# Altium PCB apt_battery_bms.PcbDoc (part 3 of 3)
Units mm, origin at the board's own origin, x right, y up, seen from the top; angles counter-clockwise.
Board outline 304.8 x 243.84 mm, 2 copper layers (Top Layer, Bottom Layer), stack 1.57 mm thick; 324 components, 194 nets, 1522 pads, 4 vias.
Unrouted connection lines stored in the file: 482.
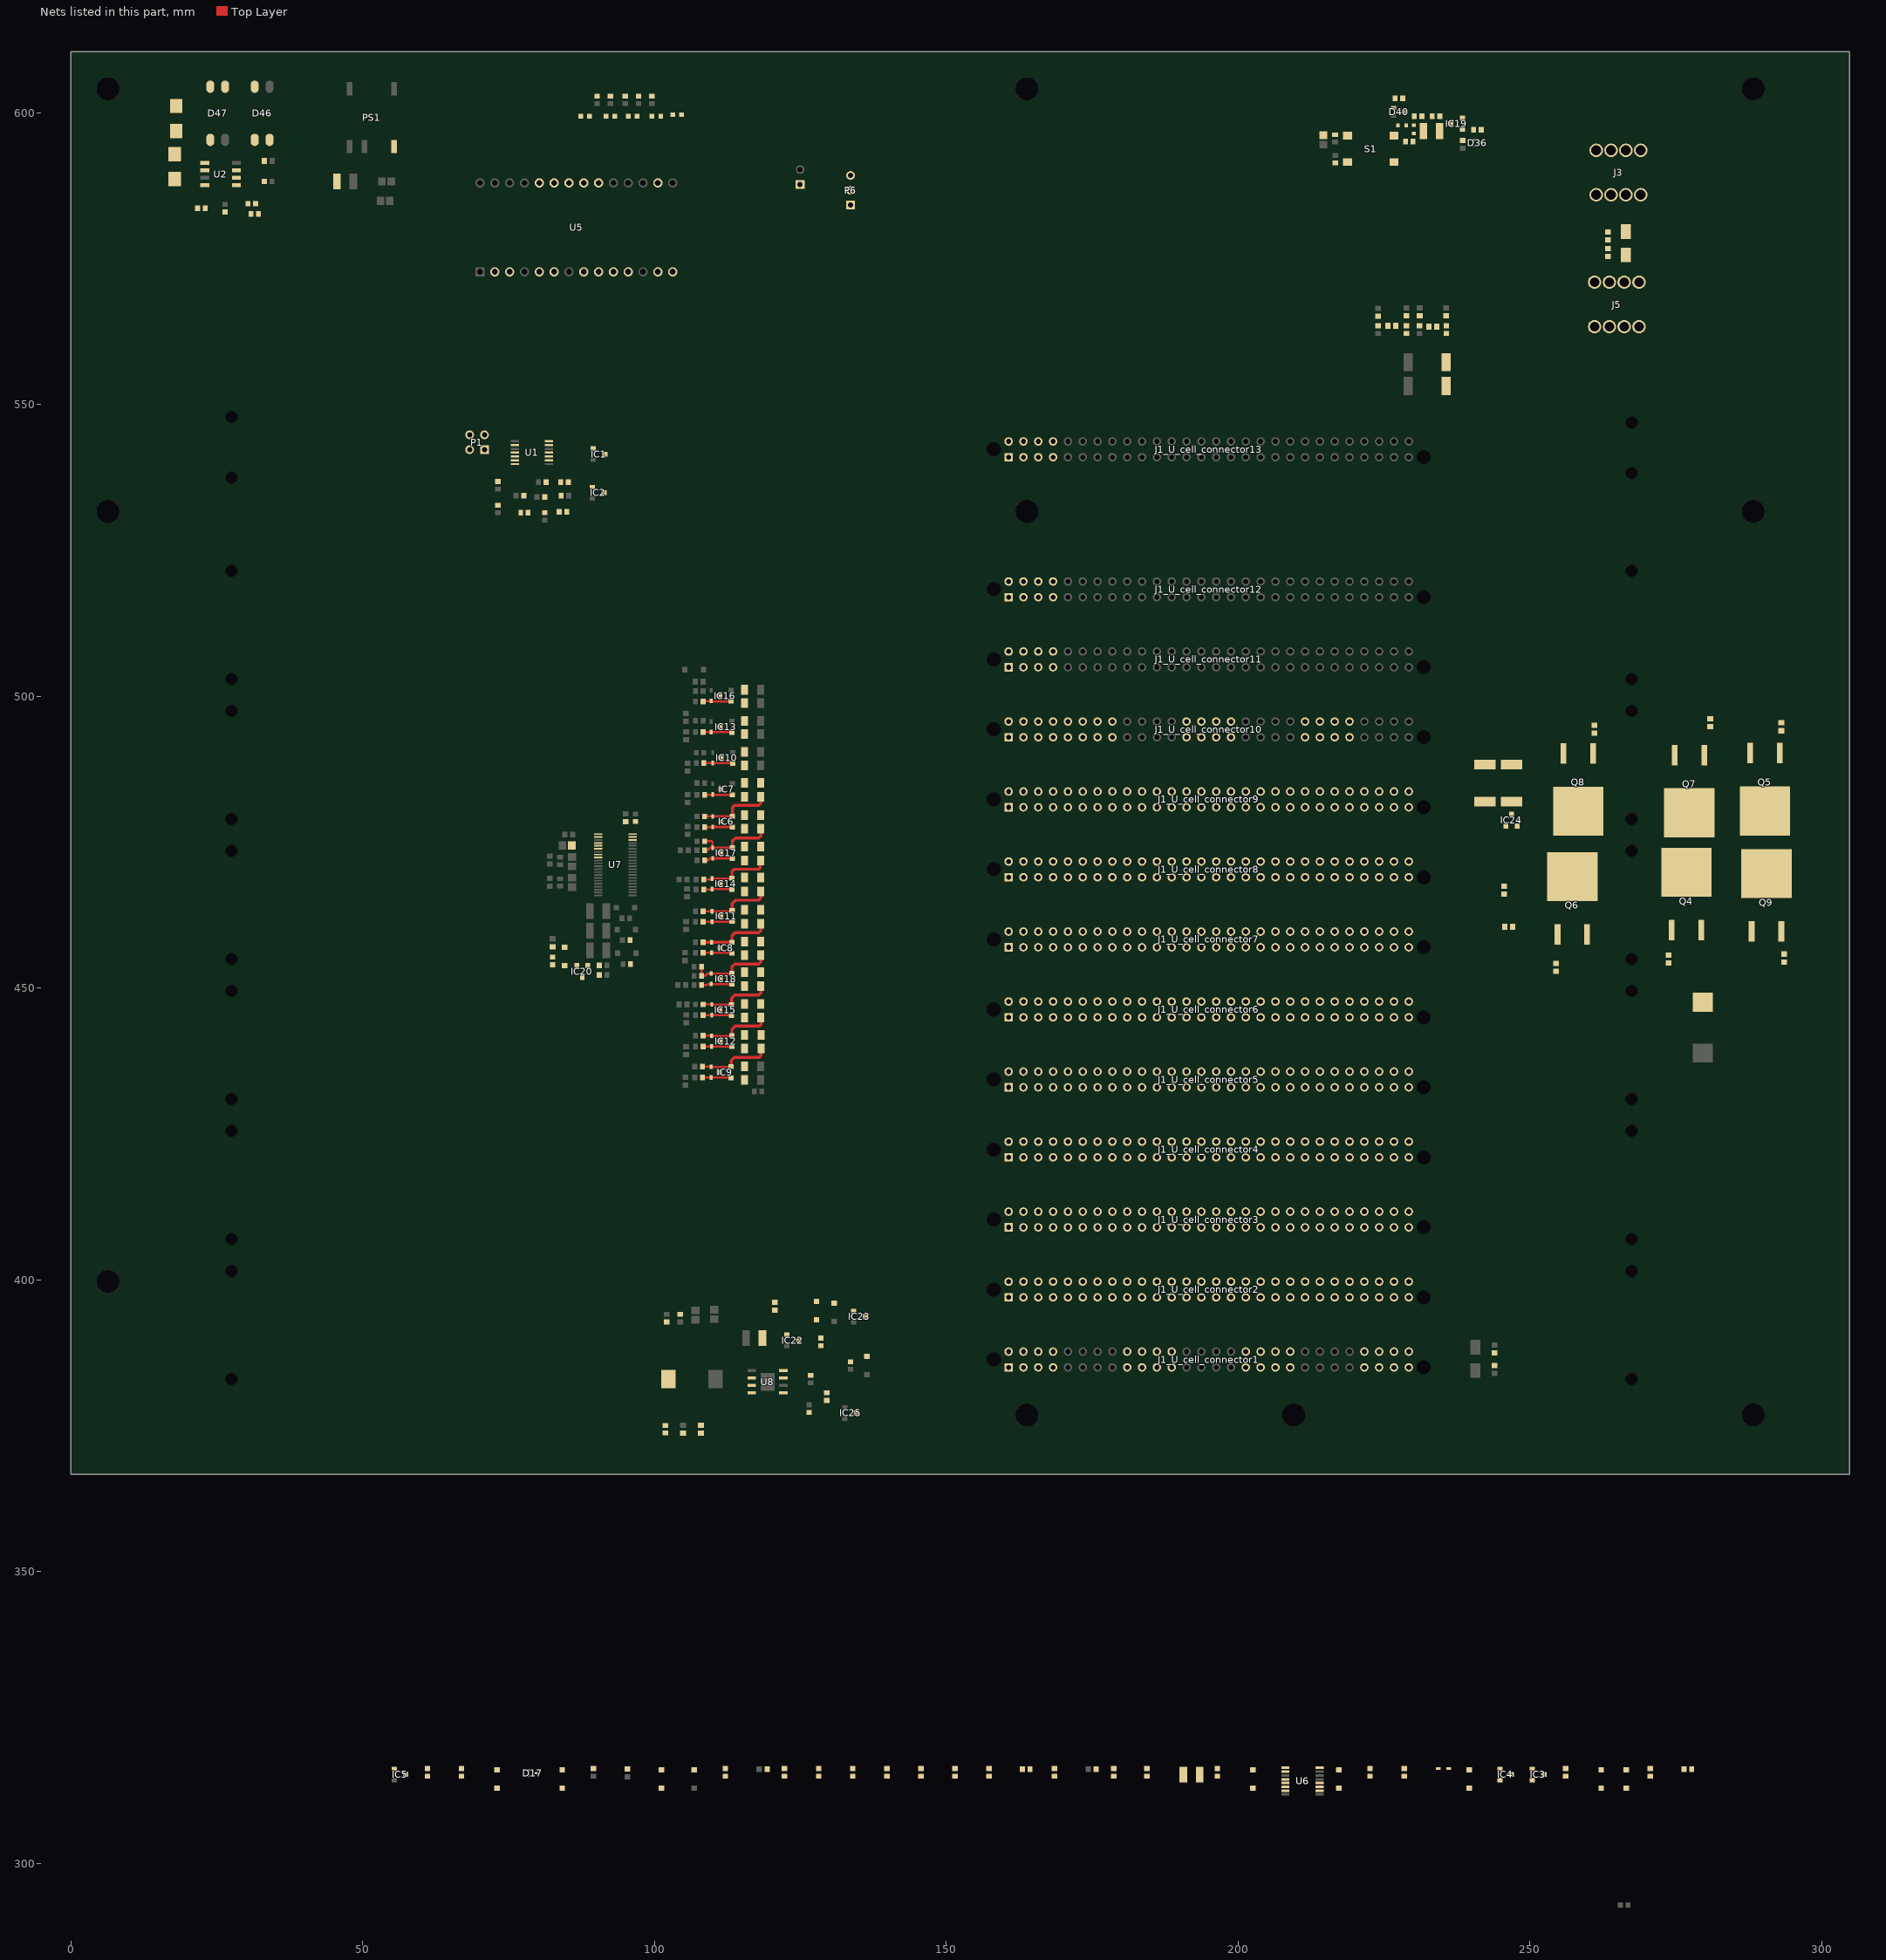
[diagram p3: the nets of this part, all layers, seen from the top]

## Via types
v1: diameter 1.27, hole 0.711, Top Layer to Bottom Layer, 4 vias

## Nets (pads, with @x,y where several pads share a name; then routed paths per layer and width w, separated by ;. In a path a pad name is that pad's centre, name@x,y a point inside that pad or via, vN(x,y) a via of type N, cw(c..) or ccw(c..) an arc to the next point about the centre after c; other vN are vias at no path point) (continued)
Cell4: D21.1 IC6.2 J1_U_cell_connector9.P9 J1_U_cell_connector9.P10 J1_U_cell_connector9.P11 J1_U_cell_connector9.P12 J1_U_cell_connector9.P17 J1_U_cell_connector9.P18 J1_U_cell_connector9.P19 J1_U_cell_connector9.P20 J1_U_cell_connector9.P25 J1_U_cell_connector9.P26 J1_U_cell_connector9.P27 J1_U_cell_connector9.P28 J1_U_cell_connector9.P29 J1_U_cell_connector9.P30 J1_U_cell_connector9.P31 J1_U_cell_connector9.P32 J1_U_cell_connector9.P37 J1_U_cell_connector9.P38 J1_U_cell_connector9.P39 J1_U_cell_connector9.P40 J1_U_cell_connector9.P45 J1_U_cell_connector9.P46 J1_U_cell_connector9.P47 J1_U_cell_connector9.P48 J1_U_cell_connector10.P5 J1_U_cell_connector10.P6 J1_U_cell_connector10.P7 J1_U_cell_connector10.P8 J1_U_cell_connector10.P13 J1_U_cell_connector10.P14 J1_U_cell_connector10.P15 J1_U_cell_connector10.P16 J1_U_cell_connector10.P21 J1_U_cell_connector10.P22 J1_U_cell_connector10.P23 J1_U_cell_connector10.P24 J1_U_cell_connector10.P33 J1_U_cell_connector10.P34 J1_U_cell_connector10.P35 J1_U_cell_connector10.P36 J1_U_cell_connector10.P41 J1_U_cell_connector10.P42 J1_U_cell_connector10.P43 J1_U_cell_connector10.P44 J1_U_cell_connector10.P49 J1_U_cell_connector10.P50 J1_U_cell_connector10.P51 J1_U_cell_connector10.P52 R51.1 R54.1 R57.1 | length 12.6
  Top Layer w0.381: R51.1@108.6,479.436 D21.1@109.971,479.436 113.319,479.436 IC6.2@113.369,479.486
  Top Layer w0.508: IC6.2@113.369,479.486 113.369,481 113.699,481.33 117.856,481.33 118.237,481.711 R54.1@118.237,482.809
Cell5: D34.1 IC17.2 J1_U_cell_connector8.P9 J1_U_cell_connector8.P10 J1_U_cell_connector8.P11 J1_U_cell_connector8.P12 J1_U_cell_connector8.P17 J1_U_cell_connector8.P18 J1_U_cell_connector8.P19 J1_U_cell_connector8.P20 J1_U_cell_connector8.P25 J1_U_cell_connector8.P26 J1_U_cell_connector8.P27 J1_U_cell_connector8.P28 J1_U_cell_connector8.P29 J1_U_cell_connector8.P30 J1_U_cell_connector8.P31 J1_U_cell_connector8.P32 J1_U_cell_connector8.P37 J1_U_cell_connector8.P38 J1_U_cell_connector8.P39 J1_U_cell_connector8.P40 J1_U_cell_connector8.P45 J1_U_cell_connector8.P46 J1_U_cell_connector8.P47 J1_U_cell_connector8.P48 J1_U_cell_connector9.P5 J1_U_cell_connector9.P6 J1_U_cell_connector9.P7 J1_U_cell_connector9.P8 J1_U_cell_connector9.P13 J1_U_cell_connector9.P14 J1_U_cell_connector9.P15 J1_U_cell_connector9.P16 J1_U_cell_connector9.P21 J1_U_cell_connector9.P22 J1_U_cell_connector9.P23 J1_U_cell_connector9.P24 J1_U_cell_connector9.P33 J1_U_cell_connector9.P34 J1_U_cell_connector9.P35 J1_U_cell_connector9.P36 J1_U_cell_connector9.P41 J1_U_cell_connector9.P42 J1_U_cell_connector9.P43 J1_U_cell_connector9.P44 J1_U_cell_connector9.P49 J1_U_cell_connector9.P50 J1_U_cell_connector9.P51 J1_U_cell_connector9.P52 R46.1 R48.1 R49.1 R95.1 R103.1 | length 14.9
  Top Layer w0.381: R103.1@108.6,473.623 109.108,473.623 109.538,474.053 D34.1@109.971,474.053 ; R46.1@108.6,475.172 109.815,475.172 109.971,475.016 D34.1@109.971,474.053 ; IC17.2@113.344,474.127 113.271,474.053 D34.1@109.971,474.053
  Top Layer w0.508: IC17.2@113.344,474.127 113.344,475.21 113.877,475.742 117.856,475.742 118.24,476.126 R48.1@118.24,477.317
Cell6: D30.1 IC14.2 J1_U_cell_connector7.P9 J1_U_cell_connector7.P10 J1_U_cell_connector7.P11 J1_U_cell_connector7.P12 J1_U_cell_connector7.P17 J1_U_cell_connector7.P18 J1_U_cell_connector7.P19 J1_U_cell_connector7.P20 J1_U_cell_connector7.P25 J1_U_cell_connector7.P26 J1_U_cell_connector7.P27 J1_U_cell_connector7.P28 J1_U_cell_connector7.P29 J1_U_cell_connector7.P30 J1_U_cell_connector7.P31 J1_U_cell_connector7.P32 J1_U_cell_connector7.P37 J1_U_cell_connector7.P38 J1_U_cell_connector7.P39 J1_U_cell_connector7.P40 J1_U_cell_connector7.P45 J1_U_cell_connector7.P46 J1_U_cell_connector7.P47 J1_U_cell_connector7.P48 J1_U_cell_connector8.P5 J1_U_cell_connector8.P6 J1_U_cell_connector8.P7 J1_U_cell_connector8.P8 J1_U_cell_connector8.P13 J1_U_cell_connector8.P14 J1_U_cell_connector8.P15 J1_U_cell_connector8.P16 J1_U_cell_connector8.P21 J1_U_cell_connector8.P22 J1_U_cell_connector8.P23 J1_U_cell_connector8.P24 J1_U_cell_connector8.P33 J1_U_cell_connector8.P34 J1_U_cell_connector8.P35 J1_U_cell_connector8.P36 J1_U_cell_connector8.P41 J1_U_cell_connector8.P42 J1_U_cell_connector8.P43 J1_U_cell_connector8.P44 J1_U_cell_connector8.P49 J1_U_cell_connector8.P50 J1_U_cell_connector8.P51 J1_U_cell_connector8.P52 R90.1 R93.1 R97.1 | length 12.5
  Top Layer w0.381: R90.1@108.43,468.63 109.717,468.63 D30.1@109.855,468.768 113.203,468.768 IC14.2@113.265,468.83
  Top Layer w0.508: IC14.2@113.265,468.83 113.265,469.98 113.668,470.383 117.889,470.383 118.11,470.604 118.11,471.75 R97.1@118.24,471.88
Cell7: D26.1 IC11.2 J1_U_cell_connector6.P9 J1_U_cell_connector6.P10 J1_U_cell_connector6.P11 J1_U_cell_connector6.P12 J1_U_cell_connector6.P17 J1_U_cell_connector6.P18 J1_U_cell_connector6.P19 J1_U_cell_connector6.P20 J1_U_cell_connector6.P25 J1_U_cell_connector6.P26 J1_U_cell_connector6.P27 J1_U_cell_connector6.P28 J1_U_cell_connector6.P29 J1_U_cell_connector6.P30 J1_U_cell_connector6.P31 J1_U_cell_connector6.P32 J1_U_cell_connector6.P37 J1_U_cell_connector6.P38 J1_U_cell_connector6.P39 J1_U_cell_connector6.P40 J1_U_cell_connector6.P45 J1_U_cell_connector6.P46 J1_U_cell_connector6.P47 J1_U_cell_connector6.P48 J1_U_cell_connector7.P5 J1_U_cell_connector7.P6 J1_U_cell_connector7.P7 J1_U_cell_connector7.P8 J1_U_cell_connector7.P13 J1_U_cell_connector7.P14 J1_U_cell_connector7.P15 J1_U_cell_connector7.P16 J1_U_cell_connector7.P21 J1_U_cell_connector7.P22 J1_U_cell_connector7.P23 J1_U_cell_connector7.P24 J1_U_cell_connector7.P33 J1_U_cell_connector7.P34 J1_U_cell_connector7.P35 J1_U_cell_connector7.P36 J1_U_cell_connector7.P41 J1_U_cell_connector7.P42 J1_U_cell_connector7.P43 J1_U_cell_connector7.P44 J1_U_cell_connector7.P49 J1_U_cell_connector7.P50 J1_U_cell_connector7.P51 J1_U_cell_connector7.P52 R77.1 R80.1 R83.1 | length 12.7
  Top Layer w0.381: R77.1@108.346,463.18 D26.1@109.855,463.18 113.168,463.18 IC11.2@113.309,463.321
  Top Layer w0.508: IC11.2@113.309,463.321 113.309,464.498 113.886,465.074 117.831,465.074 118.24,465.483 R80.1@118.24,466.598
Cell8: D23.1 IC8.2 J1_U_cell_connector5.P9 J1_U_cell_connector5.P10 J1_U_cell_connector5.P11 J1_U_cell_connector5.P12 J1_U_cell_connector5.P17 J1_U_cell_connector5.P18 J1_U_cell_connector5.P19 J1_U_cell_connector5.P20 J1_U_cell_connector5.P25 J1_U_cell_connector5.P26 J1_U_cell_connector5.P27 J1_U_cell_connector5.P28 J1_U_cell_connector5.P29 J1_U_cell_connector5.P30 J1_U_cell_connector5.P31 J1_U_cell_connector5.P32 J1_U_cell_connector5.P37 J1_U_cell_connector5.P38 J1_U_cell_connector5.P39 J1_U_cell_connector5.P40 J1_U_cell_connector5.P45 J1_U_cell_connector5.P46 J1_U_cell_connector5.P47 J1_U_cell_connector5.P48 J1_U_cell_connector6.P5 J1_U_cell_connector6.P6 J1_U_cell_connector6.P7 J1_U_cell_connector6.P8 J1_U_cell_connector6.P13 J1_U_cell_connector6.P14 J1_U_cell_connector6.P15 J1_U_cell_connector6.P16 J1_U_cell_connector6.P21 J1_U_cell_connector6.P22 J1_U_cell_connector6.P23 J1_U_cell_connector6.P24 J1_U_cell_connector6.P33 J1_U_cell_connector6.P34 J1_U_cell_connector6.P35 J1_U_cell_connector6.P36 J1_U_cell_connector6.P41 J1_U_cell_connector6.P42 J1_U_cell_connector6.P43 J1_U_cell_connector6.P44 J1_U_cell_connector6.P49 J1_U_cell_connector6.P50 J1_U_cell_connector6.P51 J1_U_cell_connector6.P52 R65.1 R68.1 R71.1 | length 12.5
  Top Layer w0.508: R65.1@108.346,457.846 D23.1@109.817,457.846 113.256,457.846 IC8.2@113.271,457.86 113.271,458.965 113.792,459.486 117.889,459.486 118.24,459.837 R68.1@118.24,461.01
Cell9: D35.1 IC18.2 J1_U_cell_connector4.P9 J1_U_cell_connector4.P10 J1_U_cell_connector4.P11 J1_U_cell_connector4.P12 J1_U_cell_connector4.P17 J1_U_cell_connector4.P18 J1_U_cell_connector4.P19 J1_U_cell_connector4.P20 J1_U_cell_connector4.P25 J1_U_cell_connector4.P26 J1_U_cell_connector4.P27 J1_U_cell_connector4.P28 J1_U_cell_connector4.P29 J1_U_cell_connector4.P30 J1_U_cell_connector4.P31 J1_U_cell_connector4.P32 J1_U_cell_connector4.P37 J1_U_cell_connector4.P38 J1_U_cell_connector4.P39 J1_U_cell_connector4.P40 J1_U_cell_connector4.P45 J1_U_cell_connector4.P46 J1_U_cell_connector4.P47 J1_U_cell_connector4.P48 J1_U_cell_connector5.P5 J1_U_cell_connector5.P6 J1_U_cell_connector5.P7 J1_U_cell_connector5.P8 J1_U_cell_connector5.P13 J1_U_cell_connector5.P14 J1_U_cell_connector5.P15 J1_U_cell_connector5.P16 J1_U_cell_connector5.P21 J1_U_cell_connector5.P22 J1_U_cell_connector5.P23 J1_U_cell_connector5.P24 J1_U_cell_connector5.P33 J1_U_cell_connector5.P34 J1_U_cell_connector5.P35 J1_U_cell_connector5.P36 J1_U_cell_connector5.P41 J1_U_cell_connector5.P42 J1_U_cell_connector5.P43 J1_U_cell_connector5.P44 J1_U_cell_connector5.P49 J1_U_cell_connector5.P50 J1_U_cell_connector5.P51 J1_U_cell_connector5.P52 R52.1 R55.1 R58.1 R88.1 R104.1 | length 14.5
  Top Layer w0.381: R52.1@108.092,453.695 R104.1@108.092,452.12 108.687,452.12 109.079,452.512 D35.1@109.717,452.512 113.218,452.512 IC18.2@113.268,452.562
  Top Layer w0.508: IC18.2@113.268,452.562 113.268,453.66 113.76,454.152 117.856,454.152 118.215,454.511 R55.1@118.215,455.651
Cell10: D31.1 IC15.2 J1_U_cell_connector3.P9 J1_U_cell_connector3.P10 J1_U_cell_connector3.P11 J1_U_cell_connector3.P12 J1_U_cell_connector3.P17 J1_U_cell_connector3.P18 J1_U_cell_connector3.P19 J1_U_cell_connector3.P20 J1_U_cell_connector3.P25 J1_U_cell_connector3.P26 J1_U_cell_connector3.P27 J1_U_cell_connector3.P28 J1_U_cell_connector3.P29 J1_U_cell_connector3.P30 J1_U_cell_connector3.P31 J1_U_cell_connector3.P32 J1_U_cell_connector3.P37 J1_U_cell_connector3.P38 J1_U_cell_connector3.P39 J1_U_cell_connector3.P40 J1_U_cell_connector3.P45 J1_U_cell_connector3.P46 J1_U_cell_connector3.P47 J1_U_cell_connector3.P48 J1_U_cell_connector4.P5 J1_U_cell_connector4.P6 J1_U_cell_connector4.P7 J1_U_cell_connector4.P8 J1_U_cell_connector4.P13 J1_U_cell_connector4.P14 J1_U_cell_connector4.P15 J1_U_cell_connector4.P16 J1_U_cell_connector4.P21 J1_U_cell_connector4.P22 J1_U_cell_connector4.P23 J1_U_cell_connector4.P24 J1_U_cell_connector4.P33 J1_U_cell_connector4.P34 J1_U_cell_connector4.P35 J1_U_cell_connector4.P36 J1_U_cell_connector4.P41 J1_U_cell_connector4.P42 J1_U_cell_connector4.P43 J1_U_cell_connector4.P44 J1_U_cell_connector4.P49 J1_U_cell_connector4.P50 J1_U_cell_connector4.P51 J1_U_cell_connector4.P52 R91.1 R94.1 R98.1 | length 12.5
  Top Layer w0.381: R91.1@108.346,447.218 109.815,447.218 D31.1@109.83,447.203 113.193,447.203 IC15.2@113.208,447.218
  Top Layer w0.508: IC15.2@113.208,447.218 113.208,448.277 113.749,448.818 117.889,448.818 118.24,449.169 R94.1@118.24,450.342
Cell11: D27.1 IC12.2 J1_U_cell_connector2.P9 J1_U_cell_connector2.P10 J1_U_cell_connector2.P11 J1_U_cell_connector2.P12 J1_U_cell_connector2.P17 J1_U_cell_connector2.P18 J1_U_cell_connector2.P19 J1_U_cell_connector2.P20 J1_U_cell_connector2.P25 J1_U_cell_connector2.P26 J1_U_cell_connector2.P27 J1_U_cell_connector2.P28 J1_U_cell_connector2.P29 J1_U_cell_connector2.P30 J1_U_cell_connector2.P31 J1_U_cell_connector2.P32 J1_U_cell_connector2.P37 J1_U_cell_connector2.P38 J1_U_cell_connector2.P39 J1_U_cell_connector2.P40 J1_U_cell_connector2.P45 J1_U_cell_connector2.P46 J1_U_cell_connector2.P47 J1_U_cell_connector2.P48 J1_U_cell_connector3.P5 J1_U_cell_connector3.P6 J1_U_cell_connector3.P7 J1_U_cell_connector3.P8 J1_U_cell_connector3.P13 J1_U_cell_connector3.P14 J1_U_cell_connector3.P15 J1_U_cell_connector3.P16 J1_U_cell_connector3.P21 J1_U_cell_connector3.P22 J1_U_cell_connector3.P23 J1_U_cell_connector3.P24 J1_U_cell_connector3.P33 J1_U_cell_connector3.P34 J1_U_cell_connector3.P35 J1_U_cell_connector3.P36 J1_U_cell_connector3.P41 J1_U_cell_connector3.P42 J1_U_cell_connector3.P43 J1_U_cell_connector3.P44 J1_U_cell_connector3.P49 J1_U_cell_connector3.P50 J1_U_cell_connector3.P51 J1_U_cell_connector3.P52 R78.1 R81.1 R84.1 | length 12.6
  Top Layer w0.381: R78.1@108.346,441.869 109.767,441.869 D27.1@109.817,441.819 113.218,441.819 IC12.2@113.268,441.869
  Top Layer w0.508: IC12.2@113.268,441.869 113.268,442.9 113.852,443.484 117.983,443.484 118.24,443.741 R84.1@118.24,445
Cell12: D24.1 IC9.2 J1_U_cell_connector1.P9 J1_U_cell_connector1.P10 J1_U_cell_connector1.P11 J1_U_cell_connector1.P12 J1_U_cell_connector1.P17 J1_U_cell_connector1.P18 J1_U_cell_connector1.P19 J1_U_cell_connector1.P20 J1_U_cell_connector1.P25 J1_U_cell_connector1.P26 J1_U_cell_connector1.P27 J1_U_cell_connector1.P28 J1_U_cell_connector1.P29 J1_U_cell_connector1.P30 J1_U_cell_connector1.P31 J1_U_cell_connector1.P32 J1_U_cell_connector1.P37 J1_U_cell_connector1.P38 J1_U_cell_connector1.P39 J1_U_cell_connector1.P40 J1_U_cell_connector1.P45 J1_U_cell_connector1.P46 J1_U_cell_connector1.P47 J1_U_cell_connector1.P48 J1_U_cell_connector2.P5 J1_U_cell_connector2.P6 J1_U_cell_connector2.P7 J1_U_cell_connector2.P8 J1_U_cell_connector2.P13 J1_U_cell_connector2.P14 J1_U_cell_connector2.P15 J1_U_cell_connector2.P16 J1_U_cell_connector2.P21 J1_U_cell_connector2.P22 J1_U_cell_connector2.P23 J1_U_cell_connector2.P24 J1_U_cell_connector2.P33 J1_U_cell_connector2.P34 J1_U_cell_connector2.P35 J1_U_cell_connector2.P36 J1_U_cell_connector2.P41 J1_U_cell_connector2.P42 J1_U_cell_connector2.P43 J1_U_cell_connector2.P44 J1_U_cell_connector2.P49 J1_U_cell_connector2.P50 J1_U_cell_connector2.P51 J1_U_cell_connector2.P52 R66.1 R69.1 R72.1 | length 12.7
  Top Layer w0.381: R66.1@108.219,436.535 109.703,436.535 D24.1@109.728,436.51 113.116,436.51 IC9.2@113.141,436.535
  Top Layer w0.508: IC9.2@113.141,436.535 113.141,437.626 113.665,438.15 117.983,438.15 118.263,438.43 R72.1@118.263,439.674
LED1: D3.1 U5.22
LED2: D4.1 U5.23
LED3: D5.1 U5.24
LED4: D6.1 U5.14
LED5: D7.1 U5.13
NetC2_2: C2.2 R14.2 U1.5 U1.6
NetC7_1: C7.1 C8.2 R24.1 U6.2
NetC7_2: C7.2 U6.1
NetC9_2: C9.2 R25.1 R34.1
NetC10_2: C10.2 D14.2 R36.2 R38.2 U5.16
NetC19_2: C19.2 R60.2 U5.6 U7.44
NetC35_1: C35.1 D36.1 IC19.1 R105.2
NetC39_1: C39.1 IC19.3 R107.2
NetC39_2: C39.2 R107.1 R108.2
NetC41_1: C41.1 C42.2
NetC41_2: C41.2 D8.1 F1.2 IC4.3 Q4.3 Q6.3 Q9.3 R20.2 R22.2
NetC43_1: C43.1 L1.1 R114.1 U8.8
NetC43_2: C43.2 U8.7
NetC44_2: C44.2 IC22.3 R24.2 U8.2 U8.3
NetC45_1: C45.1 C48.2 R114.2
NetC48_1: C48.1 R115.1 R119.2 U8.5
NetC49_2: C49.2 C50.1 R122.1 U7.42
NetC50_2: C50.2 C51.1 R123.1 U7.43
NetC52_2: C52.2 C53.1 R124.1 U1.9
NetC53_2: C53.2 C54.1 R125.1 U1.10
NetC55_1: C55.1 C57.2
NetC56_1: C56.1 C58.2
NetD1_2: D1.2 P6.1 R9.1 U2.6
NetD2_2: D2.2 P6.2 R9.2 U2.7
NetD3_2: D3.2 R15.2
NetD4_2: D4.2 R16.2
NetD5_2: D5.2 R17.2
NetD6_2: D6.2 R18.2
NetD7_2: D7.2 R19.2
NetD8_2: D8.2 D11.2 FB1.2 FB3.2 FB6.1 IC4.2 R20.1
NetD9_2: D9.2 FB2.1 FB4.1 FB5.1 IC3.3 R21.1 R31.2
NetD10_2: D10.2 D12.2 IC3.1 R23.2
NetD11_1: D11.1 D13.2 IC4.1 R22.1
NetD12_1: D12.1 R27.2
NetD13_1: D13.1 R26.2
NetD15_2: D15.2 R30.1 R31.1
NetD16_2: D16.2 R33.1 R34.2
NetD17_1: D17.1 R33.2 U6.11
NetD17_2: D17.2 R37.2
NetD18_1: D18.1 IC24.1 R39.2 R40.2
NetD18_2: D18.2 IC24.2 Q4.2 Q5.2 Q6.2 Q7.2 Q8.2 Q9.2 R40.1
NetD20_1: D20.1 IC20.2 R45.2
NetD21_2: D21.2 IC6.1 R50.2 | length 4.8
  Top Layer w0.381: R50.2@108.6,477.586 109.921,477.586 D21.2@109.971,477.636 113.319,477.636 IC6.1@113.369,477.586
NetD22_2: D22.2 IC7.1 R61.2 | length 4.9
  Top Layer w0.381: R61.2@108.6,483.108 109.855,483.108 D22.2@109.971,483.224 110.046,483.149 IC7.1@113.375,483.149
NetD23_2: D23.2 IC8.1 R62.2 | length 5
  Top Layer w0.381: R62.2@108.346,456.046 D23.2@109.817,456.046 113.185,456.046 IC8.1@113.271,455.96
NetD24_2: D24.2 IC9.1 R63.2 | length 5
  Top Layer w0.381: R63.2@108.219,434.71 D24.2@109.728,434.71 113.066,434.71 IC9.1@113.141,434.635
NetD25_2: D25.2 IC10.1 R73.2 | length 4.9
  Top Layer w0.381: R73.2@108.473,488.558 D25.2@109.982,488.558 113.345,488.558 IC10.1@113.395,488.508
NetD26_2: D26.2 IC11.1 R74.2 | length 5
  Top Layer w0.381: R74.2@108.346,461.38 D26.2@109.855,461.38 113.268,461.38 IC11.1@113.309,461.421
NetD27_2: D27.2 IC12.1 R75.2 | length 4.9
  Top Layer w0.381: R75.2@108.346,440.019 D27.2@109.817,440.019 113.218,440.019 IC12.1@113.268,439.969
NetD29_2: D29.2 IC13.1 R85.2 | length 4.8
  Top Layer w0.381: R85.2@108.346,493.903 108.357,493.892 D29.2@109.728,493.892 113.075,493.892 IC13.1@113.125,493.842
NetD30_2: D30.2 IC14.1 R86.2 | length 4.9
  Top Layer w0.381: R86.2@108.43,466.93 109.817,466.93 D30.2@109.855,466.968 113.227,466.968 IC14.1@113.265,466.93
NetD31_2: D31.2 IC15.1 R87.2 | length 4.9
  Top Layer w0.381: R87.2@108.346,445.403 D31.2@109.83,445.403 113.122,445.403 IC15.1@113.208,445.318
NetD33_2: D33.2 IC16.1 R99.2 | length 4.9
  Top Layer w0.381: R99.2@108.346,499.099 108.473,499.226 D33.2@109.728,499.226 ; D33.2@109.728,499.099 113.064,499.099 IC16.1@113.141,499.176
NetD34_2: D34.2 IC17.1 R100.2 | length 4.9
  Top Layer w0.381: R100.2@108.6,471.932 109.245,471.932 109.566,472.253 D34.2@109.971,472.253 113.318,472.253 IC17.1@113.344,472.227
NetD35_2: D35.2 IC18.1 R101.2 | length 5.3
  Top Layer w0.381: R101.2@108.092,450.53 108.976,450.53 109.158,450.712 D35.2@109.717,450.712 113.218,450.712 IC18.1@113.268,450.662
NetD38_1: D38.1 R109.1
NetD38_2: D38.2 D39.1 D40.2 R108.1 R111.1
NetD41_1: D41.1 IC22.1 R112.1 R113.2
NetD42_2: D42.2 D43.2 IC23.1 R116.2
NetD46_1: D46.1 R7.2
NetD47_1: D47.1 R11.2
NetD47_4: D47.4 R10.1 U2.4
NetFB1_1: FB1.1 Q4.1
NetFB2_2: FB2.2 Q5.1
NetFB3_1: FB3.1 Q6.1
NetFB4_2: FB4.2 Q7.1
NetFB5_2: FB5.2 Q8.1
NetFB6_2: FB6.2 Q9.1
NetIC1_1: IC1.1 U1.2
NetIC1_3: IC1.3 R2.2
NetIC2_1: IC2.1 R1.1 R2.1
NetIC2_3: IC2.3 R6.2
NetIC5_1: IC5.1 U5.5
NetIC5_3: IC5.3 R39.1
NetIC6_3: IC6.3 R48.2 R49.2
NetIC7_3: IC7.3 R54.2 R57.2
NetIC8_3: IC8.3 R55.2 R58.2
NetIC9_3: IC9.3 R56.2 R59.2
NetIC10_3: IC10.3 R67.2 R70.2
NetIC11_3: IC11.3 R68.2 R71.2
NetIC12_3: IC12.3 R69.2 R72.2
NetIC13_3: IC13.3 R79.2 R82.2
NetIC14_3: IC14.3 R80.2 R83.2
NetIC15_3: IC15.3 R81.2 R84.2
NetIC16_3: IC16.3 R92.2 R96.2
NetIC17_3: IC17.3 R93.2 R97.2
NetIC18_3: IC18.3 R94.2 R98.2
NetIC20_1: IC20.1 R43.1
NetIC20_3: IC20.3 R42.2
NetIC23_3: IC23.3 R113.1
NetIC24_3: IC24.3 R120.1 R121.1
NetIC25_3: IC25.3 R118.1
NetJ1_U_cell_connector1_P1: J1_U_cell_connector1.P1 J1_U_cell_connector1.P2 J1_U_cell_connector1.P3 J1_U_cell_connector1.P4
NetJ1_U_cell_connector1_P53: J1_U_cell_connector1.P53 J1_U_cell_connector1.P54 J1_U_cell_connector1.P55 J1_U_cell_connector1.P56
NetJ1_U_cell_connector2_P1: J1_U_cell_connector2.P1 J1_U_cell_connector2.P2 J1_U_cell_connector2.P3 J1_U_cell_connector2.P4
NetJ1_U_cell_connector2_P53: J1_U_cell_connector2.P53 J1_U_cell_connector2.P54 J1_U_cell_connector2.P55 J1_U_cell_connector2.P56
NetJ1_U_cell_connector3_P1: J1_U_cell_connector3.P1 J1_U_cell_connector3.P2 J1_U_cell_connector3.P3 J1_U_cell_connector3.P4
NetJ1_U_cell_connector3_P53: J1_U_cell_connector3.P53 J1_U_cell_connector3.P54 J1_U_cell_connector3.P55 J1_U_cell_connector3.P56
NetJ1_U_cell_connector4_P1: J1_U_cell_connector4.P1 J1_U_cell_connector4.P2 J1_U_cell_connector4.P3 J1_U_cell_connector4.P4
NetJ1_U_cell_connector4_P53: J1_U_cell_connector4.P53 J1_U_cell_connector4.P54 J1_U_cell_connector4.P55 J1_U_cell_connector4.P56
NetJ1_U_cell_connector5_P1: J1_U_cell_connector5.P1 J1_U_cell_connector5.P2 J1_U_cell_connector5.P3 J1_U_cell_connector5.P4
NetJ1_U_cell_connector5_P53: J1_U_cell_connector5.P53 J1_U_cell_connector5.P54 J1_U_cell_connector5.P55 J1_U_cell_connector5.P56
NetJ1_U_cell_connector6_P1: J1_U_cell_connector6.P1 J1_U_cell_connector6.P2 J1_U_cell_connector6.P3 J1_U_cell_connector6.P4
NetJ1_U_cell_connector6_P53: J1_U_cell_connector6.P53 J1_U_cell_connector6.P54 J1_U_cell_connector6.P55 J1_U_cell_connector6.P56
NetJ1_U_cell_connector7_P1: J1_U_cell_connector7.P1 J1_U_cell_connector7.P2 J1_U_cell_connector7.P3 J1_U_cell_connector7.P4
NetJ1_U_cell_connector7_P53: J1_U_cell_connector7.P53 J1_U_cell_connector7.P54 J1_U_cell_connector7.P55 J1_U_cell_connector7.P56
NetJ1_U_cell_connector8_P1: J1_U_cell_connector8.P1 J1_U_cell_connector8.P2 J1_U_cell_connector8.P3 J1_U_cell_connector8.P4
NetJ1_U_cell_connector8_P53: J1_U_cell_connector8.P53 J1_U_cell_connector8.P54 J1_U_cell_connector8.P55 J1_U_cell_connector8.P56
NetJ1_U_cell_connector9_P1: J1_U_cell_connector9.P1 J1_U_cell_connector9.P2 J1_U_cell_connector9.P3 J1_U_cell_connector9.P4
NetJ1_U_cell_connector9_P53: J1_U_cell_connector9.P53 J1_U_cell_connector9.P54 J1_U_cell_connector9.P55 J1_U_cell_connector9.P56
NetJ1_U_cell_connector10_P1: J1_U_cell_connector10.P1 J1_U_cell_connector10.P2 J1_U_cell_connector10.P3 J1_U_cell_connector10.P4
NetJ1_U_cell_connector10_P53: J1_U_cell_connector10.P53 J1_U_cell_connector10.P54 J1_U_cell_connector10.P55 J1_U_cell_connector10.P56
NetJ1_U_cell_connector11_P1: J1_U_cell_connector11.P1 J1_U_cell_connector11.P2 J1_U_cell_connector11.P3 J1_U_cell_connector11.P4
NetJ1_U_cell_connector11_P53: J1_U_cell_connector11.P53 J1_U_cell_connector11.P54 J1_U_cell_connector11.P55 J1_U_cell_connector11.P56
NetJ1_U_cell_connector12_P1: J1_U_cell_connector12.P1 J1_U_cell_connector12.P2 J1_U_cell_connector12.P3 J1_U_cell_connector12.P4
NetJ1_U_cell_connector12_P53: J1_U_cell_connector12.P53 J1_U_cell_connector12.P54 J1_U_cell_connector12.P55 J1_U_cell_connector12.P56
NetJ1_U_cell_connector13_P1: J1_U_cell_connector13.P1 J1_U_cell_connector13.P2 J1_U_cell_connector13.P3 J1_U_cell_connector13.P4
NetJ1_U_cell_connector13_P53: J1_U_cell_connector13.P53 J1_U_cell_connector13.P54 J1_U_cell_connector13.P55 J1_U_cell_connector13.P56
NetP7_1: P7.1 U5.9
NetR4_2: R4.2 U1.11
NetR6_1: R6.1 R8.2 U1.4
NetR7_1: R7.1 U2.1
NetR26_1: R26.1 U6.16
NetR28_1: R28.1 U7.2
NetR28_2: R28.2 U6.4
NetR29_1: R29.1 U5.10
NetR29_2: R29.2 U6.5
NetR30_2: R30.2 R37.1 U6.12
NetR32_1: R32.1 U7.1
NetR32_2: R32.2 U6.6
NetR35_1: R35.1 U5.11
NetR35_2: R35.2 U6.7
NetR36_1: R36.1 U6.10
NetR106_1: R106.1 S1.3 S1.4
NetR109_2: R109.2 U5.8
NetR117_1: R117.1 R118.2 U8.4
Pack+: C42.1 C55.2 D9.1 D10.1 D36.2 D44.2 IC3.2 IC19.2 J3.1 Q5.3 Q7.3 Q8.3 R21.2 R23.1 R25.2 R105.1 R120.2 R121.2
Pack-: C57.1 D15.1 D16.1 D40.1 D44.1 J5.1 R27.1 R111.2 R123.2 R125.2 R126.2 R127.2
REG25: C3.2 R4.1 U1.7
REGOUT: C15.2 D42.1 U7.8
REGSRC: C12.2 D20.2 R45.1 U7.9
RXD: D46.4 R5.1 U5.2
SCL: P1.3 R13.2 U1.13 U7.5
SCL-Gauge: P1.4 U5.20
SDA: P1.1 R12.2 U1.14 U7.4
SDA-Gauge: P1.2 U5.21
SGND: C1.1 C6.1 D1.1 D2.1 D46.2 D47.3 P6.3 PS1.4 U2.2 U2.5
TS1: C40.2 D39.2 R110.2 S1.1 S1.2 U7.6
TXD: R11.1 U5.3
pads on no net: D17.3 D36.3 D40.3 Designator7.P15 Designator7_1.P15 Designator8.P15 Designator8_1.P15 Designator9.P15 Designator9_1.P15 Designator10.P15 Designator10_1.P15 Designator11.P15 Designator11_1.P15 Designator12.P15 Designator12_1.P15 Designator13.P15 Designator13_1.P15 Designator14.P15 Designator14_1.P15 Designator15.P15 Designator15_1.P15 Designator16.P15 Designator16_1.P15 Designator17.P15 Designator17_1.P15 Designator18.P15 Designator18_1.P15 J1_U_cell_connector1.M1 J1_U_cell_connector1.M2 J1_U_cell_connector2.M1 J1_U_cell_connector2.M2 J1_U_cell_connector3.M1 J1_U_cell_connector3.M2 J1_U_cell_connector4.M1 J1_U_cell_connector4.M2 J1_U_cell_connector5.M1 J1_U_cell_connector5.M2 J1_U_cell_connector6.M1 J1_U_cell_connector6.M2 J1_U_cell_connector7.M1 J1_U_cell_connector7.M2 J1_U_cell_connector8.M1 J1_U_cell_connector8.M2 J1_U_cell_connector9.M1 J1_U_cell_connector9.M2 J1_U_cell_connector10.M1 J1_U_cell_connector10.M2 J1_U_cell_connector11.M1 J1_U_cell_connector11.M2 J1_U_cell_connector12.M1 J1_U_cell_connector12.M2 J1_U_cell_connector13.M1 J1_U_cell_connector13.M2 PS1.8 U5.4 U5.12 U5.15 U5.18 U5.19 U5.25 U6.3 U6.13 U6.14 U6.15 U7.21 U7.22 U7.23 U8.6

## Polygon pours and split planes (outlines as drawn)
NetIC9_3 on Top Layer "Top Layer-NetIC10_3" (solid, remove dead copper, pour order 88): 110.625,436.054 114.14,436.054 114.14,437.604 116.848,437.604 116.848,433.286 114.14,433.286 114.14,435.115 110.625,435.115
NetIC12_3 on Top Layer "Top Layer-NetIC10_3" (solid, remove dead copper, pour order 86): 110.716,441.388 114.231,441.388 114.231,442.938 116.939,442.938 116.939,438.62 114.231,438.62 114.231,440.449 110.716,440.449
NetIC15_3 on Top Layer "Top Layer-NetIC10_3" (solid, remove dead copper, pour order 84): 110.698,446.749 114.213,446.749 114.213,448.299 116.921,448.299 116.921,443.981 114.213,443.981 114.213,445.809 110.698,445.809
NetIC18_3 on Top Layer "Top Layer-NetIC10_3" (solid, remove dead copper, pour order 82): 110.744,452.069 114.259,452.069 114.259,453.619 116.967,453.619 116.967,449.301 114.259,449.301 114.259,451.129 110.744,451.129
NetIC8_3 on Top Layer "Top Layer-NetIC10_3" (solid, remove dead copper, pour order 80): 110.709,457.403 114.224,457.403 114.224,458.953 116.932,458.953 116.932,454.635 114.224,454.635 114.224,456.463 110.709,456.463
NetIC11_3 on Top Layer "Top Layer-NetIC10_3" (solid, remove dead copper, pour order 78): 110.769,462.816 114.284,462.816 114.284,464.365 116.992,464.365 116.992,460.047 114.284,460.047 114.284,461.876 110.769,461.876
NetIC14_3 on Top Layer "Top Layer-NetIC10_3" (solid, remove dead copper, pour order 76): 110.795,468.34 114.31,468.34 114.31,469.889 117.018,469.889 117.018,465.571 114.31,465.571 114.31,467.4 110.795,467.4
NetIC17_3 on Top Layer "Top Layer-NetIC10_3" (solid, remove dead copper, pour order 74): 110.82,473.623 114.335,473.623 114.335,475.172 117.043,475.172 117.043,470.854 114.335,470.854 114.335,472.683 110.82,472.683
NetIC6_3 on Top Layer "Top Layer-NetIC10_3" (solid, remove dead copper, pour order 72): 110.881,479.019 114.396,479.019 114.396,480.568 117.104,480.568 117.104,476.25 114.396,476.25 114.396,478.079 110.881,478.079
NetIC7_3 on Top Layer "Top Layer-NetIC10_3" (solid, remove dead copper, pour order 70): 110.896,484.556 114.411,484.556 114.411,486.105 117.119,486.105 117.119,481.787 114.411,481.787 114.411,483.616 110.896,483.616
NetIC10_3 on Top Layer "Top Layer-NetIC10_3" (solid, remove dead copper, pour order 68): 110.871,489.941 114.386,489.941 114.386,491.49 117.094,491.49 117.094,487.172 114.386,487.172 114.386,489.001 110.871,489.001
NetIC13_3 on Top Layer "Top Layer-NetIC13_3" (solid, remove dead copper, pour order 62): 110.769,495.275 114.284,495.275 114.284,496.799 116.992,496.799 116.992,492.481 114.284,492.481 114.284,494.309 110.769,494.309
NetIC16_3 on Top Layer "Top Layer-NetIC16_3" (solid, remove dead copper, pour order 66): 110.617,500.634 114.132,500.634 114.132,502.158 116.84,502.158 116.84,497.84 114.132,497.84 114.132,499.618 110.617,499.618
Cell2 on Top Layer "Top Layer-Cell2" (solid, remove dead copper, pour order 46): 170.016,520.954 170.016,512.064 220.054,512.064 220.054,520.954 210.656,520.954 210.656,515.62 199.734,515.62 199.734,520.954 190.336,520.954 190.336,515.62 179.414,515.62 179.414,520.954
BAT- on Top Layer "Top Layer-Cell0" (solid, remove dead copper, pour order 52): 230.067,539.745 230.067,559.562 180.029,559.562 180.029,539.745 189.427,539.745 189.427,545.079 200.349,545.079 200.349,539.745 209.747,539.745 209.747,545.079 220.669,545.079 220.669,539.745
Cell1 on Top Layer "Top Layer-Cell1" (solid, remove dead copper, pour order 50): 170.016,546.1 170.016,530.098 220.054,530.098 220.054,544.83 210.656,544.83 210.656,539.496 199.734,539.496 199.734,544.83 190.336,544.83 190.336,539.496 179.414,539.496 179.414,546.1
Cell1 on Top Layer "Top Layer-Cell1 1" (solid, remove dead copper, pour order 48): 230.321,515.869 230.321,530.352 180.283,530.352 180.283,515.869 189.681,515.869 189.681,521.203 200.603,521.203 200.603,515.869 210.001,515.869 210.001,521.203 220.923,521.203 220.923,515.869
Cell2 on Top Layer "Top Layer-Cell2 1" (solid, remove dead copper, pour order 44): 230.321,503.931 230.321,512.313 180.283,512.313 180.283,503.931 189.681,503.931 189.681,509.265 200.603,509.265 200.603,503.931 210.001,503.931 210.001,509.265 220.923,509.265 220.923,503.931
Cell3 on Top Layer "Top Layer-Cell3" (solid, remove dead copper, pour order 42): 170.016,509.016 170.016,500.126 220.054,500.126 220.054,509.016 210.656,509.016 210.656,503.682 199.734,503.682 199.734,509.016 190.336,509.016 190.336,503.682 179.414,503.682 179.414,509.016
Cell3 on Top Layer "Top Layer-Cell3 1" (solid, remove dead copper, pour order 40): 230.067,491.993 230.067,500.375 180.029,500.375 180.029,491.993 189.427,491.993 189.427,497.327 200.349,497.327 200.349,491.993 209.747,491.993 209.747,497.327 220.669,497.327 220.669,491.993
Cell4 on Top Layer "Top Layer-Cell4" (solid, remove dead copper, pour order 38): 170.098,497.078 170.098,488.188 220.136,488.188 220.136,497.078 210.738,497.078 210.738,491.744 199.816,491.744 199.816,497.078 190.418,497.078 190.418,491.744 179.496,491.744 179.496,497.078
Cell4 on Top Layer "Top Layer-Cell4 1" (solid, remove dead copper, pour order 36): 230.067,480.055 230.067,488.437 180.029,488.437 180.029,480.055 189.427,480.055 189.427,485.389 200.349,485.389 200.349,480.055 209.747,480.055 209.747,485.389 220.669,485.389 220.669,480.055
Cell5 on Top Layer "Top Layer-Cell5" (solid, remove dead copper, pour order 34): 169.844,485.14 169.844,475.996 219.882,475.996 219.882,485.14 210.484,485.14 210.484,479.806 199.562,479.806 199.562,485.14 190.164,485.14 190.164,479.806 179.242,479.806 179.242,485.14
Cell5 on Top Layer "Top Layer-Cell5 1" (solid, remove dead copper, pour order 32): 230.321,467.863 230.321,476.25 180.283,476.25 180.283,467.863 189.681,467.863 189.681,473.197 200.603,473.197 200.603,467.863 210.001,467.863 210.001,473.197 220.923,473.197 220.923,467.863
Cell6 on Top Layer "Top Layer-Cell6" (solid, remove dead copper, pour order 30): 170.098,472.948 170.098,464.058 220.136,464.058 220.136,472.948 210.738,472.948 210.738,467.614 199.816,467.614 199.816,472.948 190.418,472.948 190.418,467.614 179.496,467.614 179.496,472.948
Cell6 on Top Layer "Top Layer-Cell6 1" (solid, remove dead copper, pour order 28): 230.149,455.925 230.149,464.307 180.111,464.307 180.111,455.925 189.509,455.925 189.509,461.259 200.431,461.259 200.431,455.925 209.829,455.925 209.829,461.259 220.751,461.259 220.751,455.925
Cell7 on Top Layer "Top Layer-Cell7" (solid, remove dead copper, pour order 26): 169.926,461.01 169.926,452.12 219.964,452.12 219.964,461.01 210.566,461.01 210.566,455.676 199.644,455.676 199.644,461.01 190.246,461.01 190.246,455.676 179.324,455.676 179.324,461.01
Cell7 on Top Layer "Top Layer-Cell7 1" (solid, remove dead copper, pour order 24): 230.149,443.987 230.149,452.369 180.111,452.369 180.111,443.987 189.509,443.987 189.509,449.321 200.431,449.321 200.431,443.987 209.829,443.987 209.829,449.321 220.751,449.321 220.751,443.987
Cell8 on Top Layer "Top Layer-Cell8" (solid, remove dead copper, pour order 22): 169.926,449.072 169.926,440.182 219.964,440.182 219.964,449.072 210.566,449.072 210.566,443.738 199.644,443.738 199.644,449.072 190.246,449.072 190.246,443.738 179.324,443.738 179.324,449.072
Cell8 on Top Layer "Top Layer-Cell8 1" (solid, remove dead copper, pour order 20): 230.149,432.049 230.149,440.431 180.111,440.431 180.111,432.049 189.509,432.049 189.509,437.383 200.431,437.383 200.431,432.049 209.829,432.049 209.829,437.383 220.751,437.383 220.751,432.049
Cell9 on Top Layer "Top Layer-Cell9" (solid, remove dead copper, pour order 18): 169.926,437.134 169.926,428.244 219.964,428.244 219.964,437.134 210.566,437.134 210.566,431.8 199.644,431.8 199.644,437.134 190.246,437.134 190.246,431.8 179.324,431.8 179.324,437.134
Cell9 on Top Layer "Top Layer-Cell9 1" (solid, remove dead copper, pour order 16): 230.124,420.116 230.124,428.498 180.086,428.498 180.086,420.116 189.484,420.116 189.484,425.45 200.406,425.45 200.406,420.116 209.804,420.116 209.804,425.45 220.726,425.45 220.726,420.116
Cell10 on Top Layer "Top Layer-Cell10" (solid, remove dead copper, pour order 14): 169.926,425.196 169.926,416.052 219.964,416.052 219.964,425.196 210.566,425.196 210.566,419.862 199.644,419.862 199.644,425.196 190.246,425.196 190.246,419.862 179.324,419.862 179.324,425.196
Cell10 on Top Layer "Top Layer-Cell10 1" (solid, remove dead copper, pour order 10): 230.124,407.924 230.124,416.306 180.086,416.306 180.086,407.924 189.484,407.924 189.484,413.258 200.406,413.258 200.406,407.924 209.804,407.924 209.804,413.258 220.726,413.258 220.726,407.924
Cell11 on Top Layer "Top Layer-Cell11" (solid, remove dead copper, pour order 8): 169.926,413.004 169.926,403.86 219.964,403.86 219.964,413.004 210.566,413.004 210.566,407.67 199.644,407.67 199.644,413.004 190.246,413.004 190.246,407.67 179.324,407.67 179.324,413.004
Cell11 on Top Layer "Top Layer-Cell11 1" (solid, remove dead copper, pour order 6): 230.124,395.732 230.124,404.114 180.086,404.114 180.086,395.732 189.484,395.732 189.484,401.066 200.406,401.066 200.406,395.732 209.804,395.732 209.804,401.066 220.726,401.066 220.726,395.732
Cell12 on Top Layer "Top Layer-Cell12" (solid, remove dead copper, pour order 4): 169.926,400.812 169.926,391.668 219.964,391.668 219.964,400.812 210.566,400.812 210.566,395.478 199.644,395.478 199.644,400.812 190.246,400.812 190.246,395.478 179.324,395.478 179.324,400.812
Cell12 on Top Layer "Top Layer-Cell12 1" (solid, remove dead copper, pour order 2): 230.124,383.54 230.124,391.922 180.086,391.922 180.086,383.54 189.484,383.54 189.484,388.874 200.406,388.874 200.406,383.54 209.804,383.54 209.804,388.874 220.726,388.874 220.726,383.54
430_Power on Top Layer "Top Layer-430_Power" (solid, remove dead copper, pour order 0): 169.926,388.62 169.926,372.364 219.964,372.364 219.964,388.62 210.566,388.62 210.566,383.286 199.644,383.286 199.644,388.62 190.246,388.62 190.246,383.286 179.324,383.286 179.324,388.62
BAT- on Bottom Layer "Bottom Layer-BAT-" (solid, remove dead copper, pour order 54): 302.895,610.235 302.895,368.3 0,368.3 0,610.235

## Silkscreen, mask and mechanical layers (free items; w line width, h text height)
Mechanical 3:
  rectangle: 12.065,541.052 377.065,543.052
  rectangle: 12.573,517.176 377.573,519.176
  rectangle: 12.446,505.238 377.446,507.238
  rectangle: 12.573,493.3 377.573,495.3
  rectangle: 12.319,481.362 377.319,483.362
  rectangle: 12.573,469.297 377.573,471.297
  rectangle: 10.922,457.232 375.922,459.232
  rectangle: 11.303,445.294 376.303,447.294
  rectangle: 13.589,421.291 378.589,423.291
  rectangle: 13.208,433.356 378.208,435.356
  rectangle: 13.97,409.353 378.97,411.353
  rectangle: 12.827,397.288 377.827,399.288
  rectangle: 13.589,385.35 378.589,387.35
  lines w0.635: 0,327.406 306.832,327.406
  lines w1: 195,352.552 195,635.127
  text "top" at 2.667,353.695 h3.05 r90
  text "Wall edge" at 115.824,334.137 h3.05

## Text inside footprints (layer, text, board x,y; h text height)
P1: Top Overlay "1" at 71.374,540.258 h1.27 r90; Top Overlay "2" at 68.834,539.75 h1.27 r90; Top Overlay "4" at 68.834,546.354 h1.27 r90; Top Overlay "3" at 71.374,546.354 h1.27 r90
U1: Top Overlay "*" at 75.501,543.96 h1.27; Mechanical 13 "*" at 75.494,543.982 h1.27
U7: Top Overlay "*" at 89.773,476.547 h1.27; Mechanical 13 "*" at 91.11,475.501 h1.27
U8: Top Overlay "*" at 116.087,384.835 h1.27; Mechanical 13 "*" at 117.45,383.667 h1.27